# Altium PCB OZ440-SE100-CAR002.PcbDoc (part 2 of 2)
Units mm, origin at the board's own origin, x right, y up, seen from the top; angles counter-clockwise.
Board outline 156 x 60 mm, 4 copper layers (Top Layer, Mid-Layer 1, Mid-Layer 2, Bottom Layer), stack 1.586 mm thick; 110 components, 82 nets, 411 pads, 277 vias.
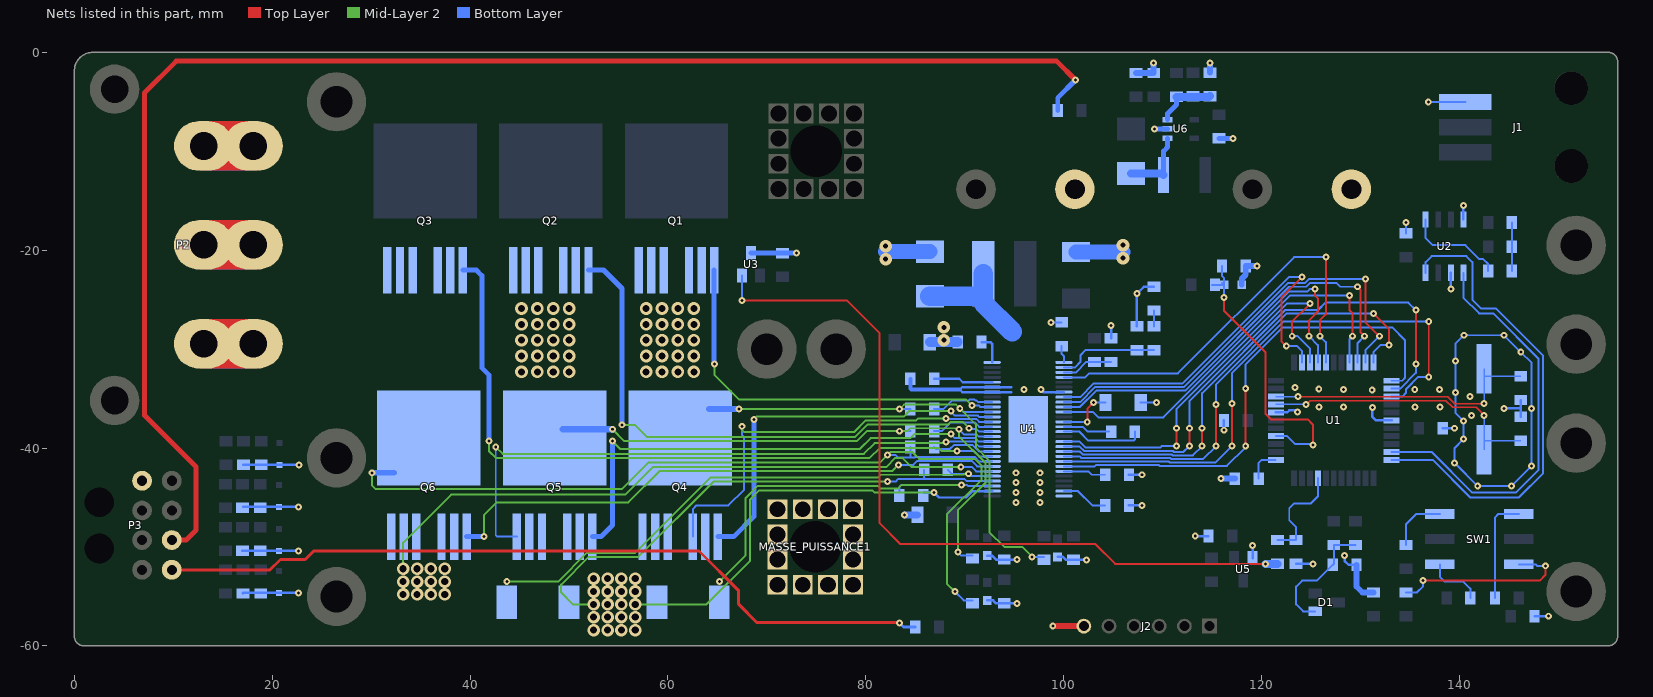
[diagram p4: the nets of this part, all layers, seen from the top]

## Via types
v1: diameter 0.7, hole 0.3, Top Layer to Bottom Layer, 179 vias
v2: diameter 1.27, hole 0.711, Top Layer to Bottom Layer, 40 vias
v3: diameter 1.27, hole 0.711, Top Layer to Bottom Layer, tented both sides, 32 vias
v4: diameter 0.7, hole 0.3, Top Layer to Bottom Layer, tented both sides, 18 vias
v5: diameter 1.27, hole 0.5, Top Layer to Bottom Layer, tented both sides, 8 vias

## Nets (pads, with @x,y where several pads share a name; then routed paths per layer and width w, separated by ;. In a path a pad name is that pad's centre, name@x,y a point inside that pad or via, vN(x,y) a via of type N, cw(c..) or ccw(c..) an arc to the next point about the centre after c; other vN are vias at no path point) (continued)
GND: C1.2 C2.1 C3.1 C4.1 C5.1 C6.1 C7.1 C8.1 C9.1 C10.1 C11.1 C12.1 C13.1 C14.2 C15.1 C16.2 C17.2 C20.2 C21.1 C25.1 C26.1 C27.1 C28.1 C29.1 C31.1 C32.1 C33.1 C34.2 C35.2 C36.1 C37.1 C38.1 C39.2 C40.1 C41.1 D2.A D3.A D4.A D5.A D6.A J1.3 J2.6 MASSE_PUISSANCE1.1 P3.1 Q6.2 Q6.3 Q6.5 Q6.6 Q6.7 R7.1 R9.1 R11.1 R19.1 R20.1 R21.1 R24.1 R26.1 R29.1 R30.2 R35.1 R36.1 R37.1 R39.1 U1.6 U1.29 U2.2 U2.8 U3.3 U4.7 U4.28 U4.30 U4.32 U4.34 U4.57 U5.A U6.2 | length 316.9
  Top Layer w0.6: v1(98.9,-58) J2.6@102.04,-58
  Mid-Layer 2 w0.2: v3(33.245,-52.2) 33.245,-49.555 38.1,-44.7 55.7,-44.7 58.5,-41.9 82.1,-41.9 83,-41 83.7,-41 84.6,-41.9 v1(89.6,-41.9) ; v3(52.5,-55.8) 50.4,-55.8 49.2,-54.6 49.2,-53.8 52,-51 57,-51 64.607,-43.393 v1(82.2,-43.393) ; v3(56.7,-55.8) 63.9,-55.8 68.3,-51.4 68.3,-45.2 69.2,-44.3 80.7,-44.3 80.9,-44.5 v1(86.9,-44.5)
  Bottom Layer w0.2: v1(82.2,-43.393) 83.007,-43.393 83.25,-43.15 85.75,-43.15 ; C29.1@85.9,-42.2 85.9,-43 ; v1(89.6,-41.9) 90.451,-41.9 90.7,-41.9 91.15,-42.35 U4.34@92.775,-42.35 ; U4.32@92.775,-43.35 90.201,-43.35 89.959,-43.108 89.427,-43.108 89.385,-43.15 86.05,-43.15 ; v1(98.7,-27.3) R30.2@99.8,-27.3 ; C21.1@107.775,-35.4 v1(109.4,-35.4) ; 85.75,-43.15 85.9,-43 ; 85.75,-43.15 86.05,-43.15 ; 85.9,-43 86.05,-43.15 ; v1(139.5,-41.5) 139.5,-40 v1(140.4,-39.1) v1(140.4,-37.25) 139.6,-36.45 v1(139.6,-34.4) v1(139.6,-31.2) 139.6,-29.455 v1(140.455,-28.6) v1(144.5,-28.6) v1(146.2,-30.3) 147.3,-31.4 v4(147.3,-36) v1(147.3,-41.8) v1(145.25,-43.85) v1(141.85,-43.85) v1(139.5,-41.5)
  Bottom Layer w0.25: R9.1@17,-50.4 C7.1@18.8,-50.4 D3.A@20.7,-50.4 v1(22.654,-50.4) ; R11.1@17.041,-54.7 17.093,-54.648 D4.A@20.7,-54.648 v1(22.654,-54.648) ; R24.1@17.087,-41.7 C28.1@18.9,-41.7 D6.A@20.746,-41.7 v1(22.7,-41.7) ; R7.1@17.1,-45.95 D2.A@20.7,-45.95 v1(22.654,-45.95) ; C13.1@85.9,-44.5 v1(86.9,-44.5) 87.4,-45 90.15,-45 90.8,-44.35 U4.30@92.775,-44.35 ; R35.1@92.281,-55.4 92.87,-55.4 93.17,-55.7 C37.1@94,-55.7 v4(95.3,-55.7) ; R21.1@92.281,-50.87 92.77,-50.87 93.17,-51.27 C36.1@94,-51.27 v4(95.3,-51.27) ; 97.95,-34.35 U4.7@100.025,-34.35 ; R20.1@99.381,-51 99.925,-51 100.225,-51.3 C38.1@101,-51.3 v4(102.3,-51.3) ; R29.1@104.8,-28.9 v1(104.8,-27.6) ; C10.1@106.6,-45.8 v1(107.9,-45.8) ; C25.1@106.6,-42.7 v1(107.9,-42.7) ; C35.2@107.4,-27.7 v1(107.4,-24.4) 108.1,-23.7 C34.2@109.128,-23.7 ; v1(113.3,-48.9) C12.1@114.639,-48.9 ; v4(116.2,-38.2) C27.1@116.2,-37.2 ; v1(119.079,-49.847) 119.1,-49.868 U5.A@119.1,-51.125 ; U1.29@121.45,-36.4 122.6,-36.4 122.8,-36.2 123.5,-36.2 123.645,-36.345 v1(123.645,-36.35) ; C11.1@123.5,-51.7 v1(125.2,-51.7) ; v4(128.4,-50.87) 128.4,-51.4 128.8,-51.8 C26.1@129.6,-51.8 ; v1(131.2,-35.9) 131.2,-36.85 131.55,-37.2 U1.6@133.15,-37.2 ; C2.1@134.6,-18.3 v1(134.6,-17.2) ; v1(136.851,-5.026) J1.3@140.6,-5.026 ; C3.1@138.3,-38 v1(139.5,-38) ; v1(139.13,-23.93) U2.2@139.13,-22.3 ; U2.8@140.4,-16.9 v4(140.4,-15.5) ; v1(144.5,-36) 146.2,-36 ; C5.1@146.2,-36.85 146.2,-36 ; C4.1@146.2,-35.15 146.2,-36 ; R19.1@147.59,-57 v1(149,-57)
  Bottom Layer w0.5: U3.3@68.4,-20.3 C41.1@71.6,-20.3 v1(73,-20.3) ; v1(109.2,-7.75) U6.2@110.5,-7.75 ; C31.1@115.7,-8.7 v1(117.1,-8.7)
  Bottom Layer w0.6: C32.1@107.3,-2.1 C33.1@109.1,-2.1 v1(109.1,-1.1) ; R26.1@114.8,-2.063 v1(114.8,-1.063) ; v1(115.9,-43.1) C1.2@117.3,-43.1 ; R39.1@118,-23.5 118,-22.878 118.4,-22.478 C40.1@118.4,-21.6 v1(119.55,-21.6) ; C26.1@129.6,-51.8 129.6,-54 130.2,-54.6 C9.1@131.3,-54.6
  Bottom Layer w0.7: v1(83.925,-46.75) C39.2@85.225,-46.75
  Bottom Layer w1: C15.1@86.475,-29.3 C14.2@89.3,-29.3
  Bottom Layer w1.5: v5@82,-20.15 D5.A@86.5,-20.15 ; C20.2@101.25,-20.2 v5@106,-20.2
  other v1: 95.2,-45.5 97.6,-45.5 95.2,-44.5 97.6,-44.5 95.2,-43.5 97.6,-43.5 95.2,-42.5 97.6,-42.5 141.2,-36.7 125.8,-35.85 128.3,-35.85 135.5,-35.85 138.015,-35.85 141.05,-34.8 131.185,-34.15 128.285,-34.1 135.485,-34.1 138,-34.1 125.785,-34.05 123.4,-33.9
  other v3: 52.5,-58.4 53.9,-58.4 55.3,-58.4 56.7,-58.4 52.5,-57.1 53.9,-57.1 55.3,-57.1 56.7,-57.1 53.9,-55.8 55.3,-55.8 33.245,-54.8 34.645,-54.8 36.045,-54.8 37.445,-54.8 52.5,-54.5 53.9,-54.5 55.3,-54.5 56.7,-54.5 33.245,-53.5 34.645,-53.5 36.045,-53.5 37.445,-53.5 52.5,-53.2 53.9,-53.2 55.3,-53.2 56.7,-53.2 34.645,-52.2 36.045,-52.2 37.445,-52.2
  other v4: 96,-34.1 97.7,-34.1
  other v5: 87.9,-29.1 87.9,-27.8 82,-20.9 106,-20.8 82,-19.6 106,-19.5
NetC1_1: C1.1 U1.23 | length 3.4
  Bottom Layer w0.2: C1.1@119.7,-43.1 119.7,-41.5 120,-41.2 U1.23@121.4,-41.2
NetC4_2: C4.2 U1.31 Y1.2 | length 28.5
  Top Layer w0.15: v1(123.7,-34.8) 138.806,-34.8 139.506,-35.5 v1(142.5,-35.5)
  Bottom Layer w0.15: U1.31@121.45,-34.8 v1(123.7,-34.8) ; v1(142.5,-35.5) Y1.2@142.5,-32 ; Y1.2@142.55,-32.75 C4.2@146.2,-32.75
NetC5_2: C5.2 U1.30 Y1.1 | length 29
  Top Layer w0.15: v1(124.5,-35.6) 124.9,-35.2 138.6,-35.2 139.3,-35.9 141.7,-35.9 v1(142.5,-36.7)
  Bottom Layer w0.15: U1.30@121.45,-35.6 v1(124.5,-35.6) ; Y1.1@142.5,-40.15 Y1.1@142.5,-39.25 ; v1(142.5,-36.7) Y1.1@142.5,-39.25 ; C5.2@146.2,-39.25 Y1.1@142.5,-39.25
NetC10_2: C10.2 U4.27 | length 4.8
  Bottom Layer w0.2: U4.27@100.025,-44.35 101.45,-44.35 102.9,-45.8 C10.2@104.2,-45.8
NetC14_1: C14.1 U4.56 | length 3
  Bottom Layer w0.25: C14.1@91.7,-29.3 92.6,-29.3 92.775,-29.475 U4.56@92.775,-31.35
NetC18_1: C18.1 U4.52 | length 6
  Bottom Layer w0.25: C18.1@86.9,-33 89.45,-33 89.8,-33.35 U4.52@92.775,-33.35
NetC18_2: C18.2 D5.K L1.1 U4.50 U4.51 | length 29.1
  Bottom Layer w0.25: 94.7,-34.35 U4.50@92.775,-34.35 89.75,-34.35 89.5,-34.1 89.75,-33.85 U4.51@92.775,-33.85 94.7,-33.85
  Bottom Layer w0.4: C18.2@84.5,-33 84.5,-34 84.6,-34.1 89.5,-34.1
  Bottom Layer w2: D5.K@86.5,-24.65 L1.1@91.875,-24.65 ; L1.1@91.875,-22.4 L1.1@91.875,-24.65 ; 94.8,-28.25 91.875,-25.325 L1.1@91.875,-24.65
NetC19_1: C19.1 U4.48 | length 6.4
  Bottom Layer w0.2: C19.1@86.9,-36.067 87.833,-36.067 88.7,-35.2 90.401,-35.2 90.501,-35.1 90.999,-35.1 91.099,-35.2 91.2,-35.2 91.35,-35.35 U4.48@92.775,-35.35
NetC21_2: C21.2 U4.13 | length 5.8
  Top Layer w0.2: v1(102.385,-37.35) 102.385,-36.015 v1(103,-35.4)
  Bottom Layer w0.2: U4.13@100.025,-37.35 v1(102.385,-37.35) ; v1(103,-35.4) C21.2@104.225,-35.4
NetC22_1: C22.1 U4.43 | length 6.4
  Bottom Layer w0.2: C22.1@86.9,-38.3 87.7,-38.3 88.6,-37.4 91,-37.4 91.45,-37.85 U4.43@92.775,-37.85
NetC23_1: C23.1 U4.15 | length 8.4
  Bottom Layer w0.2: U4.15@100.025,-38.35 101.6,-38.35 102.5,-39.25 107.083,-39.25 107.2,-39.133 C23.1@107.2,-38.35
NetC23_2: C23.2 U4.14 | length 4.8
  Bottom Layer w0.2: U4.14@100.025,-37.85 101.95,-37.85 102.45,-38.35 C23.2@104.6,-38.35
NetC24_1: C24.1 U4.38 | length 6.4
  Bottom Layer w0.2: C24.1@86.9,-39.9 87.1,-40.1 88.5,-40.1 88.9,-39.7 90.8,-39.7 91.45,-40.35 U4.38@92.775,-40.35
NetC25_2: C25.2 U4.23 | length 4.3
  Bottom Layer w0.2: U4.23@100.025,-42.35 102.5,-42.35 102.85,-42.7 C25.2@104.2,-42.7
NetC26_2: C26.2 D1.1 R4.1 R22.1 | length 12.9
  Bottom Layer w0.2: D1.1@125.425,-56.5 124.2,-56.5 123.5,-55.8 123.5,-54 124.1,-53.4 125.6,-53.4 C26.2@127.2,-51.8 127.3,-51.7 R22.1@127.3,-49.8 R4.1@129.5,-49.8
NetC30_1: C30.1 R25.1 R26.2 U6.3 | length 6.1
  Bottom Layer w0.5: U6.3@110.5,-6.8 110.5,-6.2 111.4,-5.3 C30.1@111.4,-4.5
  Bottom Layer w0.8: C30.1@111.4,-4.5 114.7,-4.5 R26.2@114.8,-4.4
NetC34_1: C34.1 R27.2 | length 1.6
  Bottom Layer w0.2: R27.2@109.128,-27.7 C34.1@109.128,-26.1
NetC35_1: C35.1 R27.1 U4.2 | length 10.2
  Bottom Layer w0.2: U4.2@100.025,-31.85 101.15,-31.85 101.7,-31.3 101.7,-30.6 102.2,-30.1 C35.1@107.4,-30.1 R27.1@109.128,-30.1
NetD7_A: D7.A L2.2 U6.1 | length 7.2
  Bottom Layer w0.5: L2.2@110.1,-12.4 110.1,-10 110.5,-9.6 U6.1@110.5,-8.7
  Bottom Layer w0.8: D7.A@106.8,-12.25 109.95,-12.25 L2.2@110.1,-12.4
NetP3_5: P3.5 R13.1 | length 79.9
  Top Layer w0.3: P3.5@9.858,-52.307 19.793,-52.307 20.835,-51.265 23.335,-51.265 24.2,-50.4 63.134,-50.4 67.15,-54.416 67.15,-55.786 69.014,-57.65 83.35,-57.65 v4(83.4,-57.7)
  Bottom Layer w0.3: v4(83.4,-57.7) 83.8,-58.1 R13.1@85,-58.1
NetP3_6: P3.6 R15.1 | length 149.3
  Top Layer w0.5: P3.6@9.858,-49.307 11.293,-49.307 12.3,-48.3 12.3,-41.9 7.1,-36.7 7.1,-4.1 10.3,-0.9 99.3,-0.9 v1(101.2,-2.8)
  Bottom Layer w0.5: R15.1@99.4,-5.9 99.4,-4.6 v1(101.2,-2.8)
NetR1_1: R1.1 R2.2 R3.2 | length 4.9
  Bottom Layer w0.2: R2.2@145.3,-22.1 R3.2@145.3,-19.65 R1.1@145.3,-17.2
NetR2_1: R2.1 U2.5 | length 10
  Bottom Layer w0.2: U2.5@136.59,-16.9 136.59,-18.79 137.3,-19.5 140.6,-19.5 142,-20.9 142.4,-20.9 142.9,-21.4 R2.1@142.9,-22.1
NetR5_1: R5.1 U3.2 | length 78.9
  Top Layer w0.2: v1(67.5,-25.1) 78.105,-25.1 81.4,-28.395 81.4,-47.6 83.5,-49.7 103.2,-49.7 105.2,-51.7 v1(120.4,-51.7)
  Bottom Layer w0.2: v1(67.5,-25.1) U3.2@67.5,-22.575
  Bottom Layer w0.8: v1(120.4,-51.7) R5.1@121.6,-51.7
NetR12_1: R12.1 SW1.8 | length 5.9
  Bottom Layer w0.2: R12.1@134.6,-49.8 134.6,-47.7 135.632,-46.668 SW1.8@138.015,-46.668
NetR14_1: R14.1 SW1.4 | length 18.9
  Top Layer w0.2: v1(136.3,-53.4) 148.1,-53.4 148.7,-52.8 v1(148.7,-51.9)
  Bottom Layer w0.2: R14.1@134.6,-54.6 135.7,-54.6 136.3,-54 v1(136.3,-53.4) ; SW1.4@146,-51.748 147.698,-51.748 147.85,-51.9 v1(148.7,-51.9)
NetR16_1: R16.1 SW1.2 | length 5.8
  Bottom Layer w0.2: SW1.2@138.015,-51.748 138.015,-53.015 138.5,-53.5 140.4,-53.5 141.1,-54.2 R16.1@141.1,-55.148
NetR18_1: R18.1 SW1.1 | length 10.7
  Bottom Layer w0.2: R18.1@143.6,-55.148 143.6,-47 143.932,-46.668 SW1.1@146,-46.668
NetR28_1: R28.1 R29.2 U4.3 | length 5.2
  Bottom Layer w0.2: U4.3@100.025,-32.35 101.25,-32.35 102.3,-31.3 R28.1@103.1,-31.3 R29.2@104.8,-31.3
NetR30_1: R30.1 U4.1 | length 1.7
  Bottom Layer w0.2: R30.1@99.8,-29.7 99.8,-30.475 100.025,-30.7 U4.1@100.025,-31.35
PH1: C19.2 P2.1 Q1.2 Q1.3 Q1.5 Q1.6 Q1.7 Q4.8 R32.2 U4.46 | length 50.5
  Mid-Layer 2 w0.192: v4(67.2,-36.067) v4(83.4,-36.067) 83.867,-35.6 89.1,-35.6 v1(89.5,-36) 91.139,-37.639 91.139,-39.939 92.5,-41.3 92.5,-48.5 94,-50 95.8,-50 v1(96.8,-51)
  Bottom Layer w0.192: v4(83.4,-36.067) C19.2@84.5,-36.067 ; v1(89.5,-36) 89.85,-36.35 U4.46@92.775,-36.35 ; v1(96.8,-51) R32.2@98,-51
  Bottom Layer w0.6: Q4.8@64.14,-36.067 v4(67.2,-36.067)
  other v2: 57.8,-32.3 59.405,-32.3 61.01,-32.3 62.615,-32.3 57.8,-30.7 59.405,-30.7 61.01,-30.7 62.615,-30.7 57.8,-29.1 59.405,-29.1 61.01,-29.1 62.615,-29.1 57.8,-27.5 59.405,-27.5 61.01,-27.5 62.615,-27.5 57.8,-25.9 59.405,-25.9 61.01,-25.9 62.615,-25.9
PH1_H: Q1.1 U4.47 | length 40
  Mid-Layer 2 w0.2: v1(64.7,-31.5) 64.7,-32.6 67.2,-35.1 90.15,-35.1 v1(90.75,-35.7)
  Bottom Layer w0.2: v1(90.75,-35.7) 91.4,-35.7 91.55,-35.85 U4.47@92.775,-35.85
  Bottom Layer w0.5: v1@64.674,-31.5 Q1.1@64.674,-22.011
PH1_H_CMD: U1.41 U4.17 | length 44.7
  Top Layer w0.2: v1(111.4,-39.8) v1(111.4,-38) ; v1(128.9,-24.6) 128.9,-26.1 129.2,-26.4 v1(129.2,-28.7)
  Bottom Layer w0.2: U4.17@100.025,-39.35 101.61,-39.35 102.21,-39.95 109.75,-39.95 109.9,-39.8 v1(111.4,-39.8) ; v1(111.4,-38) 111.4,-36.065 122.865,-24.6 v1(128.9,-24.6) ; U1.41@128.9,-31.35 128.9,-29 v1(129.2,-28.7)
PH1_L: Q4.1 U4.45 | length 39.1
  Mid-Layer 2 w0.2: v1(68.7,-37.1) 69,-36.8 83.867,-36.8 84.417,-36.25 v1(88.6,-36.25)
  Bottom Layer w0.2: v1(88.6,-36.25) 88.55,-36.3 88.95,-36.7 91.29,-36.7 91.44,-36.85 U4.45@92.775,-36.85
  Bottom Layer w0.5: Q4.1@65.055,-48.962 66.638,-48.962 68.7,-46.9 v1(68.7,-37.1)
PH1_L_CMD: U1.36 U4.18 | length 41.7
  Top Layer w0.2: v1(112.7,-39.8) v1(112.7,-38) ; v1(123.1,-28.7) 123.1,-27.2 v1(124.9,-25.4)
  Bottom Layer w0.2: U4.18@100.025,-39.85 101.615,-39.85 102.065,-40.3 111.051,-40.3 111.151,-40.4 112.1,-40.4 v1(112.7,-39.8) ; v1(112.7,-38) 112.7,-35.26 122.56,-25.4 v1(124.9,-25.4) ; v1(123.1,-28.7) 123.645,-28.7 124.9,-29.955 U1.36@124.9,-31.35
PH2: C22.2 P2.2 Q2.2 Q2.3 Q2.5 Q2.6 Q2.7 Q5.8 R33.2 U4.41 | length 62.3
  Mid-Layer 2 w0.2: v4(54.4,-38.1) 55.6,-39.3 79.1,-39.3 80.1,-38.3 v4(83.4,-38.3) 84.2,-38.3 84.5,-38 89.3,-38 v1(89.4,-38.1) ; v1@89.2,-38.1 89.4,-38.3 89.4,-38.8 92.1,-41.5 92.1,-43.5 89.3,-46.3 v1(89.3,-50.5)
  Bottom Layer w0.2: v4(83.4,-38.3) C22.2@84.5,-38.3 ; v1(89.3,-50.5) 89.67,-50.87 R33.2@90.8,-50.87 ; v1(89.4,-38.1) 89.95,-38.65 91.235,-38.65 91.435,-38.85 U4.41@92.775,-38.85
  Bottom Layer w0.7: Q5.8@49.407,-38.1 v4(54.4,-38.1)
  other v2: 45.2,-32.3 46.805,-32.3 48.41,-32.3 50.015,-32.3 45.2,-30.7 46.805,-30.7 48.41,-30.7 50.015,-30.7 45.2,-29.1 46.805,-29.1 48.41,-29.1 50.015,-29.1 45.2,-27.5 46.805,-27.5 48.41,-27.5 50.015,-27.5 45.2,-25.9 46.805,-25.9 48.41,-25.9 50.015,-25.9
PH2_H: Q2.1 U4.42 | length 56.9
  Mid-Layer 2 w0.2: v1(55.355,-37.65) 56.65,-37.65 57.9,-38.9 78.9,-38.9 80.2,-37.6 88.349,-37.6 88.599,-37.35 89.801,-37.35 v1(90.451,-38)
  Bottom Layer w0.2: v1(90.451,-38) 90.551,-38.1 91.2,-38.1 91.45,-38.35 U4.42@92.775,-38.35
  Bottom Layer w0.5: Q2.1@51.974,-22.011 53.489,-22.011 55.355,-23.877 v1(55.355,-37.65)
PH2_H_CMD: U1.2 U4.19 | length 55.1
  Top Layer w0.2: v1@113.9,-38 v1(114,-38) v1(114,-39.8) ; v1(135.6,-31.5) v1(135.6,-26.05)
  Bottom Layer w0.2: U4.19@100.025,-40.35 101.62,-40.35 101.92,-40.65 110.906,-40.65 111.006,-40.75 113.05,-40.75 v1(114,-39.8) ; v1(114,-38) 114,-34.455 122.405,-26.05 125.704,-26.05 126.454,-25.3 134.85,-25.3 v1(135.6,-26.05) ; U1.2@133.15,-34 134,-34 135.6,-32.4 v1(135.6,-31.5)
PH2_L: Q5.1 U4.40 | length 50.7
  Mid-Layer 2 w0.2: v1(54.4,-39.3) 55.2,-40.1 79.4,-40.1 80.5,-39 84.5,-39 84.9,-38.6 v1(88.6,-38.6)
  Bottom Layer w0.2: v1(88.6,-38.6) 89,-39 91.09,-39 91.44,-39.35 U4.40@92.775,-39.35
  Bottom Layer w0.5: Q5.1@52.355,-48.962 53.238,-48.962 54.4,-47.8 v1(54.4,-39.3)
PH2_L_CMD: U1.44 U4.20 | length 47.9
  Top Layer w0.2: v1(115.4,-39.8) v1(115.4,-35.6) ; v1(131.3,-26.4) 132.9,-28 v1(132.9,-29.6)
  Bottom Layer w0.2: U4.20@100.025,-40.85 101.625,-40.85 101.775,-41 110.761,-41 110.861,-41.1 114.1,-41.1 v1(115.4,-39.8) ; v1(115.4,-35.6) 115.4,-33.555 122.555,-26.4 v1(131.3,-26.4) ; U1.44@131.3,-31.35 131.3,-30.3 132,-29.6 v1(132.9,-29.6)
PH3: C24.2 P2.3 Q3.2 Q3.3 Q3.5 Q3.6 Q3.7 Q6.8 R34.2 U4.36 | length 95.9
  Mid-Layer 2 w0.2: v1(30.1,-42.5) 30.1,-43.8 30.45,-44.15 55.355,-44.15 58.055,-41.45 81.45,-41.45 v1(82.2,-40.7) 82.5,-40.4 84.7,-40.4 85.4,-41.1 91,-41.1 91.7,-41.8 91.7,-43.2 88.2,-46.7 88.2,-53.7 v1(89,-54.5)
  Bottom Layer w0.2: v1(82.2,-40.7) 83,-40.7 83.25,-40.95 84.5,-40.95 ; C24.2@84.5,-39.9 84.5,-40.95 ; v1(89,-54.5) 89.9,-55.4 R34.2@90.8,-55.4 ; U4.36@92.775,-41.35 91.44,-41.35 90.99,-40.9 85,-40.9 84.95,-40.95 84.5,-40.95
  Bottom Layer w0.6: v1@30.2,-42.5 Q6.8@32.307,-42.5
PH3_H: Q3.1 U4.37 | length 72.1
  Mid-Layer 2 w0.2: v1(41.9,-39.3) 41.9,-40.3 42.6,-41 80.4,-41 81.4,-40 87.4,-40 87.7,-40.3 v1(89.2,-40.3)
  Bottom Layer w0.2: v1(89.2,-40.3) 90.905,-40.3 91.455,-40.85 U4.37@92.775,-40.85
  Bottom Layer w0.5: Q3.1@39.274,-22.011 40.636,-22.011 41.2,-22.575 41.2,-31.9 41.9,-32.6 v1(41.9,-39.3)
PH3_H_CMD: U1.3 U4.21 | length 57.5
  Top Layer w0.2: v1(117,-39.8) v1(117,-35.5) ; v1(136.9,-32.8) v1(136.9,-27.2)
  Bottom Layer w0.2: U4.21@100.025,-41.35 110.616,-41.35 110.716,-41.45 115.35,-41.45 v1(117,-39.8) ; v1(117,-35.5) 117,-32.45 122.25,-27.2 v1(136.9,-27.2) ; U1.3@133.15,-34.8 134.2,-34.8 134.6,-34.4 134.6,-34.055 135.855,-32.8 v1(136.9,-32.8)
PH3_L: Q6.1 U4.35 | length 57.8
  Mid-Layer 2 w0.2: v1(41.4,-48.962) 41.4,-46.8 42.7,-45.5 56,-45.5 59.2,-42.3 82.7,-42.3 v1(83.3,-41.7)
  Bottom Layer w0.2: v1(83.3,-41.7) 84.8,-41.7 85.2,-41.3 90.7,-41.3 91.25,-41.85 U4.35@92.775,-41.85
  Bottom Layer w0.5: Q6.1@39.655,-48.962 v1(41.4,-48.962)
PH3_L_CMD: U1.1 U4.22 | length 51.1
  Top Layer w0.2: v1(118.4,-39.8) v1(118.4,-34)
  Bottom Layer w0.2: U4.22@100.025,-41.85 103.121,-41.85 103.271,-41.7 109.6,-41.7 109.7,-41.8 116.5,-41.8 118.4,-39.9 v1(118.4,-39.8) ; v1(118.4,-34) 118.4,-31.545 122.145,-27.8 133.2,-27.8 134.5,-29.1 134.5,-32.9 134.2,-33.2 U1.1@133.15,-33.2
POWER_RAIL_MEAS: C40.2 R38.1 R39.2 U1.26 | length 30
  Top Layer w0.2: v1(116.2,-24.771) 116.2,-26.1 120.4,-30.3 120.4,-36.545 120.955,-37.1 124.66,-37.1 125.2,-37.64 v1(125.2,-39.7)
  Bottom Layer w0.2: R38.1@115,-23.5 R38.1@115.3,-23.5 R39.2@116.2,-23.5 ; R39.2@116,-23.3 R39.2@116.2,-23.5 ; C40.2@116,-21.6 116,-22.6 116.2,-22.8 R39.2@116.2,-23.5 ; v1@116.3,-24.871 v1(116.2,-24.771) R39.2@116.2,-23.5 ; U1.26@121.45,-38.8 122.59,-38.8 123.39,-39.6 125.3,-39.6 v1(125.2,-39.7)
PWRGD: U1.38 U4.4 | length 42.7
  Top Layer w0.2: v1(125.9,-28.7) 125.9,-27.1 126.5,-26.5 v1(126.5,-20.7)
  Bottom Layer w0.2: U4.4@100.025,-32.85 102.175,-32.85 102.575,-32.45 111.55,-32.45 123.3,-20.7 v1(126.5,-20.7) ; v1(125.9,-28.7) 126.5,-29.3 U1.38@126.5,-31.35
RX_CAN: U1.11 U2.4 | length 49.4
  Bottom Layer w0.2: U1.11@133.15,-41.2 137.3,-41.2 141.1,-45 146,-45 148.45,-42.55 148.45,-30.65 143.7,-25.9 142.2,-25.9 141.3,-25 141.3,-21.2 140.7,-20.6 137.2,-20.6 136.59,-21.21 U2.4@136.59,-22.3
SL_PH1: C13.2 Q4.2 Q4.3 Q4.5 Q4.6 Q4.7 R36.2 U4.31 U4.44 | length 83.9
  Mid-Layer 2 w0.2: v4(65.2,-53.5) 67.849,-50.851 67.849,-45.051 69.05,-43.85 81.257,-43.85 81.507,-44.1 83.243,-44.1 83.6,-43.743 89.7,-43.743 v1(89.693,-43.75) ; v1(67.5,-37.8) 67.5,-38.2 67.7,-38.4 78.81,-38.4 80.01,-37.2 85.1,-37.2 85.3,-37 v1(88.1,-37)
  Bottom Layer w0.2: Q4.3@62.515,-48.962 62.515,-46.175 62.89,-45.8 66.1,-45.8 67.7,-44.2 67.7,-38.9 67.5,-38.7 v1(67.5,-37.8) ; C13.2@83.4,-44.4 83.4,-43.9 83.55,-43.75 v1(89.693,-43.75) 90.25,-43.75 90.35,-43.85 U4.31@92.775,-43.85 ; v1(88.1,-37) 88.15,-37.05 91.145,-37.05 91.445,-37.35 U4.44@92.775,-37.35
SL_PH2: C29.2 Q5.2 Q5.3 Q5.5 Q5.6 Q5.7 R37.2 U4.33 U4.39 | length 118.5
  Mid-Layer 2 w0.2: v1(42.6,-39.9) 43.3,-40.6 79.8,-40.6 80.9,-39.5 88,-39.5 v1(88.1,-39.4) ; v4(43.715,-53.5) 48.9,-53.5 51.8,-50.6 56.7,-50.6 64.3,-43 81.2,-43 81.5,-42.7 89.9,-42.7 90,-42.6 v1(90.4,-42.6) ; v1@90.5,-42.7 v1(90.4,-42.6) ; v1@90.5,-42.6 v1(90.4,-42.6)
  Bottom Layer w0.2: v1(42.6,-39.9) 42.6,-48.8 42.762,-48.962 Q5.7@44.735,-48.962 ; v1(88.1,-39.4) 88.1,-39.35 90.945,-39.35 91.445,-39.85 U4.39@92.775,-39.85 ; C29.2@88.3,-42.2 88.7,-42.6 v1(90.4,-42.6) 90.65,-42.85 U4.33@92.775,-42.85
SPI_CLK: U1.37 U4.11 | length 39.3
  Top Layer w0.2: v1(124.8,-28.7) 124.8,-27.1 125.7,-26.2 125.7,-24.871 125.4,-24.571 v1(125.4,-23.93)
  Bottom Layer w0.2: U4.11@100.025,-36.35 102.95,-36.35 103.5,-36.9 110.07,-36.9 122.77,-24.2 124.6,-24.2 124.87,-23.93 v1(125.4,-23.93) ; v1(124.8,-28.7) 125.7,-29.6 U1.37@125.7,-31.35
SPI_CS: U1.35 U4.8 | length 40.1
  Top Layer w0.2: v1(122.5,-29.7) 122,-29.2 122,-24.8 v1(124.1,-22.7)
  Bottom Layer w0.2: U4.8@100.025,-34.85 101.66,-34.85 103.01,-33.5 111.985,-33.5 122.785,-22.7 v1(124.1,-22.7) ; v1(122.5,-29.7) 123.6,-29.7 124.1,-30.2 U1.35@124.1,-31.35
SPI_MISO: U1.42 U4.10 | length 43.3
  Top Layer w0.2: v1(129.7,-23.7) 130,-24 130,-28.3 v1(130.4,-28.7)
  Bottom Layer w0.2: U4.10@100.025,-35.85 101.65,-35.85 103.3,-34.2 112.275,-34.2 122.775,-23.7 124.506,-23.7 124.906,-23.3 127.569,-23.3 127.969,-23.7 v1(129.7,-23.7) ; U1.42@129.7,-31.35 129.7,-29.4 v1(130.4,-28.7)
SPI_MOSI: U1.43 U4.9 | length 45.2
  Top Layer w0.2: v1(130.5,-22.9) 130.5,-27.3 v1(131.9,-28.7)
  Bottom Layer w0.2: U4.9@100.025,-35.35 101.655,-35.35 103.155,-33.85 112.13,-33.85 122.68,-23.3 124.4,-23.3 124.8,-22.9 v1(130.5,-22.9) ; U1.43@130.5,-31.35 130.5,-30.1 v1(131.9,-28.7)
TEMP_SENSOR: C11.2 R5.2 U1.19 | length 10.6
  Bottom Layer w0.2: R5.2@121.6,-49.3 C11.2@123.5,-49.3 123.5,-48 122.8,-47.3 122.8,-46.1 123.3,-45.6 125,-45.6 125.7,-44.9 U1.19@125.7,-43.05
TX_CAN: U1.10 U2.1 | length 41.4
  Bottom Layer w0.2: U1.10@133.15,-40.4 137.2,-40.4 141.3,-44.5 145.7,-44.5 148,-42.2 148,-31 143.4,-26.4 142,-26.4 140.4,-24.8 U2.1@140.4,-22.3
pads on no net: D1.2 J1.0 J2.5 P2.Fix1 P2.Fix2 P3.7 P3.FIX2 U1.5 U1.12 U1.13 U1.32 U1.33 U1.34 U4.55 U5.3

## Polygon pours and split planes (outlines as drawn)
PH1 on Top Layer "Top Layer-No Net" (solid, pour order 12): 63.9,-21.8 63.9,-36.9 23.2,-36.9 20,-33.7 8.5,-33.7 8.5,-25.1 20,-25.1 23.3,-21.8
24V_PUISSANCE on Top Layer "Top Layer-No Net" (solid, pour order 13): 69.8,-18.3 124.8,-18.3 124.8,-1.7 69.8,-1.7
GND on Top Layer "Top Layer-No Net" (solid, pour order 11): 142.5,-37.5 142.8,-37.5 143.4,-36.9 143.4,-35.1 143.4,-35 143.1,-34.7 140.5,-34.7 140,-34.2 139.8,-34 123.5,-34 123.3,-34 123,-34.3 122.9,-34.4 122.9,-35.2 122.9,-35.6 123.3,-36 123.6,-36.3 124,-36.3 125.3,-36.3 125.5,-36.1 125.6,-36 127,-36 138.2,-36 138.7,-36.5 138.8,-36.6 140.8,-36.6 140.9,-36.6 141.8,-37.5
24V_PUISSANCE on Bottom Layer "Top Layer-No Net" (solid, pour order 20): 80.2,-16.9 30.1,-16.9 30.1,-1.7 80.2,-1.7
SL_PH2 on Bottom Layer "Top Layer-No Net" (solid, pour order 18): 47.8,-46.668 51.5,-46.668 51.5,-51.5 49.9,-51.5 49.2,-52.2 47.1,-52.2 45.8,-53.5 45.8,-57.4 45.2,-58 41.9,-58 41.3,-57.4 41.3,-53.148 43,-51.448 43,-46.7
SL_PH1 on Bottom Layer "Top Layer-No Net" (solid, pour order 17): 57,-46.6 57,-51.9 59.9,-51.9 62.5,-54.5 62.5,-57.5 63,-58 67,-58 67.5,-57.5 67.5,-54.5 64.2,-51.2 64.2,-46.6
PH3 on Bottom Layer "Top Layer-No Net" (solid, pour order 19): 38.3,-19.4 31.1,-19.4 29,-17.3 29,-12.7 21.8,-5.5 8.5,-5.5 8.5,-15.1 19.4,-15.1 22,-17.7 22,-31 25.5,-34.5 30.8,-40.6 38.3,-34.5
PH2 on Mid-Layer 1 "Top Layer-PH2" (solid, pour order 14): 51.6,-14 51.6,-33.5 28,-33.5 20,-25.5 8.5,-25.5 8.5,-14
GND on Mid-Layer 1 "Plan masse" (solid, pour order 15): 0,-59 ccw(c1,-59) 1,-60 155,-60 ccw(c155,-59) 156,-59 156,-1 ccw(c155,-1) 155,0 1.905,0 ccw(c1.905,-1.905) 0,-1.905
PH2 on Mid-Layer 2 "Top Layer-PH2" (solid, pour order 16): 51.6,-14 51.6,-33.5 28,-33.5 20,-25.5 8.5,-25.5 8.5,-14
no net on Top Solder "NetP2_1" (solid): 23.5,-36.7 21.4,-34.6 21.4,-30.2 21.4,-24.2 23.5,-22.1
no net on Top Paste "NetP2_1" (solid): 23.5,-36.7 21.4,-34.6 21.4,-30.2 21.4,-24.2 23.5,-22.1
no net on Bottom Solder "NetP2_1" (solid): 35.6,-33.6 35.6,-32.6 26.6,-23.6 26.6,-13.7 23.3,-10.4 21,-12.7 23.6,-15.3 23.6,-25 32,-33.4 32,-33.6
no net on Bottom Paste "NetP2_1" (solid): 35.6,-33.7 35.6,-32.6 26.6,-23.6 26.6,-13.7 23.3,-10.4 21,-12.7 23.6,-15.3 23.6,-25 32.1,-33.5 32.1,-33.7

## Other copper
Top Layer:
  rectangle net 24V_PUISSANCE: 70.1,-15 80.1,-5.1
  rectangle net GND: 70,-55 80,-45.1
Mid-Layer 1:
  pour cut-out: 69.8,-4.8 69.8,-15.2 80.1,-15.2 80.1,-4.8
Bottom Layer:
  rectangle net GND: 87.2,-29.8 88.6,-27.1
  rectangle net GND: 94.4,-47.9 98.4,-41.3
  rectangle net GND: 70,-55 80,-45.1
  rectangle net GND: 50,-59.3 59,-52.5
  rectangle net GND: 81.3,-21.6 82.7,-18.9
  rectangle net GND: 105.3,-21.5 106.7,-18.8
  rectangle net NetC18_2: 94.2,-32.2 97.6,-27.4
  rectangle net NetC18_2: 94.2,-34.5 95.2,-27.4
  rectangle net GND: 95.4,-35.1 98.4,-33.4
  rectangle net 24V_PUISSANCE: 70.1,-15 80.1,-5.1
  rectangle net PH2: 43.9,-37 51.2,-19.6
  rectangle net PH1: 56.6,-37 63.9,-19.6
  rectangle net GND: 97.7,-47.9 100.9,-44.7
  rectangle net 24V_PUISSANCE: 91.9,-47.1 93.7,-44.85
  rectangle net GND: 31.6,-55.6 38.8,-46.6

## Silkscreen, mask and mechanical layers (free items; w line width, h text height)
Top Overlay:
  drawing of 355 lines, arcs and shapes, not listed
  text "+ALIM" at 70,-18.6 h2
  text "CANH" at 141,-28 h2
  text "CANL" at 141.2,-41.1 h2
  text "0V" at 72.8,-43.8 h2
Top Paste:
  rectangle: 23.5,-36.7 63.6,-33.4
  rectangle: 23.5,-24.8 63.6,-22.1
Top Solder:
  drawing of 357 lines, arcs and shapes, not listed
cutout:
  the board outline again, w0.127
Assy Top details:
  text ".ASsyDocumentNumber" at 200.66,-177.927 h1.52
Assy bottom details:
  text ".ASsyDocumentNumber" at -53.094,-178.192 h1.52
Sheet format drawing:
  drawing of 2594 lines, arcs and shapes, not listed
  text "1" at -96.897,93.407 h1.78
  text "2" at -47.858,93.407 h1.78
  text "3" at 1.401,93.407 h1.78
  text "4" at 50.694,93.407 h1.78
  text "5" at 99.97,93.407 h1.78
  text "6" at 148.992,93.407 h1.78
  text "7" at 198.522,93.407 h1.78
  text "8" at 247.544,93.407 h1.78
  text "A" at -119.029,59.422 h1.78
  text "A" at 269.591,59.422 h1.78
  text "B" at -119.029,-11.19 h1.78
  text "B" at 269.591,-11.19 h1.78
  text "C" at -119.029,-81.802 h1.78
  text "C" at 269.591,-81.802 h1.78
  text "D" at -119.029,-151.906 h1.78
  text "D" at 269.591,-151.906 h1.78
  text "Verifie par:" at 154.656,-152.084 h1.14
  text "Nom de la carte:" at 192.756,-152.084 h1.14
  text ".VerifEngineer" at 160.282,-155.28 h1.52
  text ".boardName" at 204.762,-155.664 h1.52
  text "Nom du Projet" at 192.629,-158.434 h1.14
  text "dessine par:" at 154.656,-159.577 h1.14
  text ".projectTitle" at 205.082,-162.064 h1.52
  text ".designEngineer" at 160.474,-162.768 h1.52
  text "3 Av didier Daurat" at 123.19,-167.005 h1.52
  text "DATE:" at 154.656,-167.324 h1.14
  text "PART NO.:" at 192.756,-167.324 h1.14
  text "Revision" at 246.096,-167.324 h1.14
  text ".PRINT_DATE" at 155.926,-170.372 h1.78
  text "31400 Toulouse" at 125.12,-170.815 h1.52
  text ".boardrevision" at 246.507,-170.815 h1.52
  text ".boardPartNumber" at 201.434,-170.832 h1.52
  text "NOM DU FICHIER:" at 154.656,-174.944 h1.14
  text "Document: No:" at 192.756,-174.944 h1.14
  text "Echelle:" at 246.096,-174.944 h1.14
  text "1:1" at 252.058,-177.552 h1.52
  text ".PCB_FILE_NAME_NO_PATH" at 154.178,-178.054 h1.78
  text "1" at -96.897,-183.453 h1.78
  text "2" at -47.858,-183.453 h1.78
  text "3" at 1.401,-183.453 h1.78
  text "4" at 50.694,-183.453 h1.78
  text "5" at 99.97,-183.453 h1.78
  text "6" at 148.992,-183.453 h1.78
  text "7" at 198.522,-183.453 h1.78
  text "8" at 247.544,-183.453 h1.78
Drill Drawing:
  lines w0.3: -90.576,-92.225 45.776,-92.225 ; -90.576,-86.8 45.776,-86.8 ; -92.1,-132.55 ccw(c-90.35,-132.55) -90.35,-134.3 45.55,-134.3 ccw(c45.55,-132.55) 47.3,-132.55 47.3,-80.15 ccw(c45.55,-80.15) 45.55,-78.4 -90.35,-78.4 ccw(c-90.35,-80.15) -92.1,-80.15 -92.1,-132.55
  text ".Legend" at 156.9,43.7 h1.52
  text "Layer Stack Up Detail for: OZ440-SE100-CAR002.PcbDoc" at -90.576,-84.49 h2.55
  text "Layer" at -90.576,-88.825 h1.25
  text "Gerber" at -56.765,-88.825 h1.25
  text "Copper" at -39.906,-88.825 h1.25
  text "Dielectric" at -21.005,-88.825 h1.25
  text "Dielectric" at -1.23,-88.825 h1.25
  text "Dielectric" at 23.834,-88.825 h1.25
  text "Name" at -90.576,-91.325 h1.25
  text "Document" at -56.765,-91.325 h1.25
  text "Thickness" at -39.906,-91.325 h1.25
  text "Height" at -21.005,-91.325 h1.25
  text "Material" at -1.23,-91.325 h1.25
  text "Type" at 23.834,-91.325 h1.25
  text "Top Solder Mask" at -90.576,-95.445 h1.75
  text "(.GTS)" at -56.765,-95.445 h1.75
  text "0.0102mm" at -21.005,-95.445 h1.75
  text "Solder Resist" at -1.23,-95.445 h1.75
  text "Top Layer" at -90.576,-101.586 h1.75
  text "(.GTL)" at -56.765,-101.586 h1.75
  text "0.07mm" at -39.906,-101.586 h1.75
  text "0.288mm" at -21.005,-104.657 h1.75
  text "FR-4" at -1.23,-104.657 h1.75
  text "PrePreg" at 23.834,-104.657 h1.75
  text "Mid-Layer 1" at -90.576,-107.727 h1.75
  text "(.G1)" at -56.765,-107.727 h1.75
  text "0.07mm" at -39.906,-107.727 h1.75
  text "0.73mm" at -21.005,-110.797 h1.75
  text "FR-4" at -1.23,-110.797 h1.75
  text "Core" at 23.834,-110.797 h1.75
  text "Mid-Layer 2" at -90.576,-113.868 h1.75
  text "(.G2)" at -56.765,-113.868 h1.75
  text "0.07mm" at -39.906,-113.868 h1.75
  text "0.288mm" at -21.005,-116.938 h1.75
  text "FR-4" at -1.23,-116.938 h1.75
  text "PrePreg" at 23.834,-116.938 h1.75
  text "Bottom Layer" at -90.576,-120.009 h1.75
  text "(.GBL)" at -56.765,-120.009 h1.75
  text "0.07mm" at -39.906,-120.009 h1.75
  text "Bottom Solder Mask" at -90.576,-126.15 h1.75
  text "(.GBS)" at -56.765,-126.15 h1.75
  text "0.0102mm" at -21.005,-126.15 h1.75
  text "Solder Resist" at -1.23,-126.15 h1.75
  text "NOTA : Toutes les dimensions en mm" at 117.85,-147.408 h1.52
  text ".DrillDocumentNumber" at 200.666,-177.872 h1.52
Sheet format drawing mirror:
  drawing of 2594 lines, arcs and shapes, not listed
  text "8" at -95.748,93.471 h1.78
  text "7" at -46.726,93.471 h1.78
  text "6" at 2.804,93.471 h1.78
  text "5" at 51.826,93.471 h1.78
  text "4" at 101.102,93.471 h1.78
  text "3" at 150.395,93.471 h1.78
  text "2" at 199.654,93.471 h1.78
  text "1" at 248.693,93.471 h1.78
  text "A" at -117.795,59.486 h1.78
  text "A" at 270.825,59.486 h1.78
  text "B" at -117.795,-11.126 h1.78
  text "B" at 270.825,-11.126 h1.78
  text "C" at -117.795,-81.738 h1.78
  text "C" at 270.825,-81.738 h1.78
  text "Nom de la carte:" at -40.259,-151.257 h1.14
  text "Verifie par:" at -2.159,-151.257 h1.14
  text "D" at -117.795,-151.842 h1.78
  text "D" at 270.825,-151.842 h1.78
  text ".VerifEngineer" at -8.486,-155.216 h1.52
  text ".boardName" at -52.966,-155.6 h1.52
  text "Nom du Projet" at -40.132,-157.607 h1.14
  text "dessine par:" at -2.159,-158.75 h1.14
  text ".projectTitle" at -53.286,-162 h1.52
  text ".designEngineer" at -8.678,-162.704 h1.52
  text "Revision" at -93.599,-166.497 h1.14
  text "PART NO.:" at -40.259,-166.497 h1.14
  text "DATE:" at -2.159,-166.497 h1.14
  text "3 Av didier Daurat" at 30.099,-168.148 h1.52
  text ".boardrevision" at -94.107,-169.418 h1.52
  text ".PRINT_DATE" at -4.13,-170.308 h1.78
  text ".boardPartNumber" at -49.638,-170.768 h1.52
  text "31400 Toulouse" at 28.169,-171.958 h1.52
  text "Echelle:" at -93.599,-174.117 h1.14
  text "Document: No:" at -40.259,-174.117 h1.14
  text "NOM DU FICHIER:" at -2.159,-174.117 h1.14
  text ".PCB_FILE_NAME_NO_PATH" at -4.13,-177.928 h1.78
  text "1:1" at -100.006,-178.128 h1.52
  text "8" at -95.748,-183.389 h1.78
  text "7" at -46.726,-183.389 h1.78
  text "6" at 2.804,-183.389 h1.78
  text "5" at 51.826,-183.389 h1.78
  text "4" at 101.102,-183.389 h1.78
  text "3" at 150.395,-183.389 h1.78
  text "2" at 199.654,-183.389 h1.78
  text "1" at 248.693,-183.389 h1.78

## Dimensions
155,0 to 155,-60 on Drill Drawing
0,0 to 156,-1 on Drill Drawing

## Text inside footprints (layer, text, board x,y; h text height)
SN1: Top Overlay "S/N:" at 31.239,-4.816 h3; Top Layer "S/N:" at 31.239,-4.816 h3